# KiCad board MB1635_good_conversion.kicad_pcb (continued)
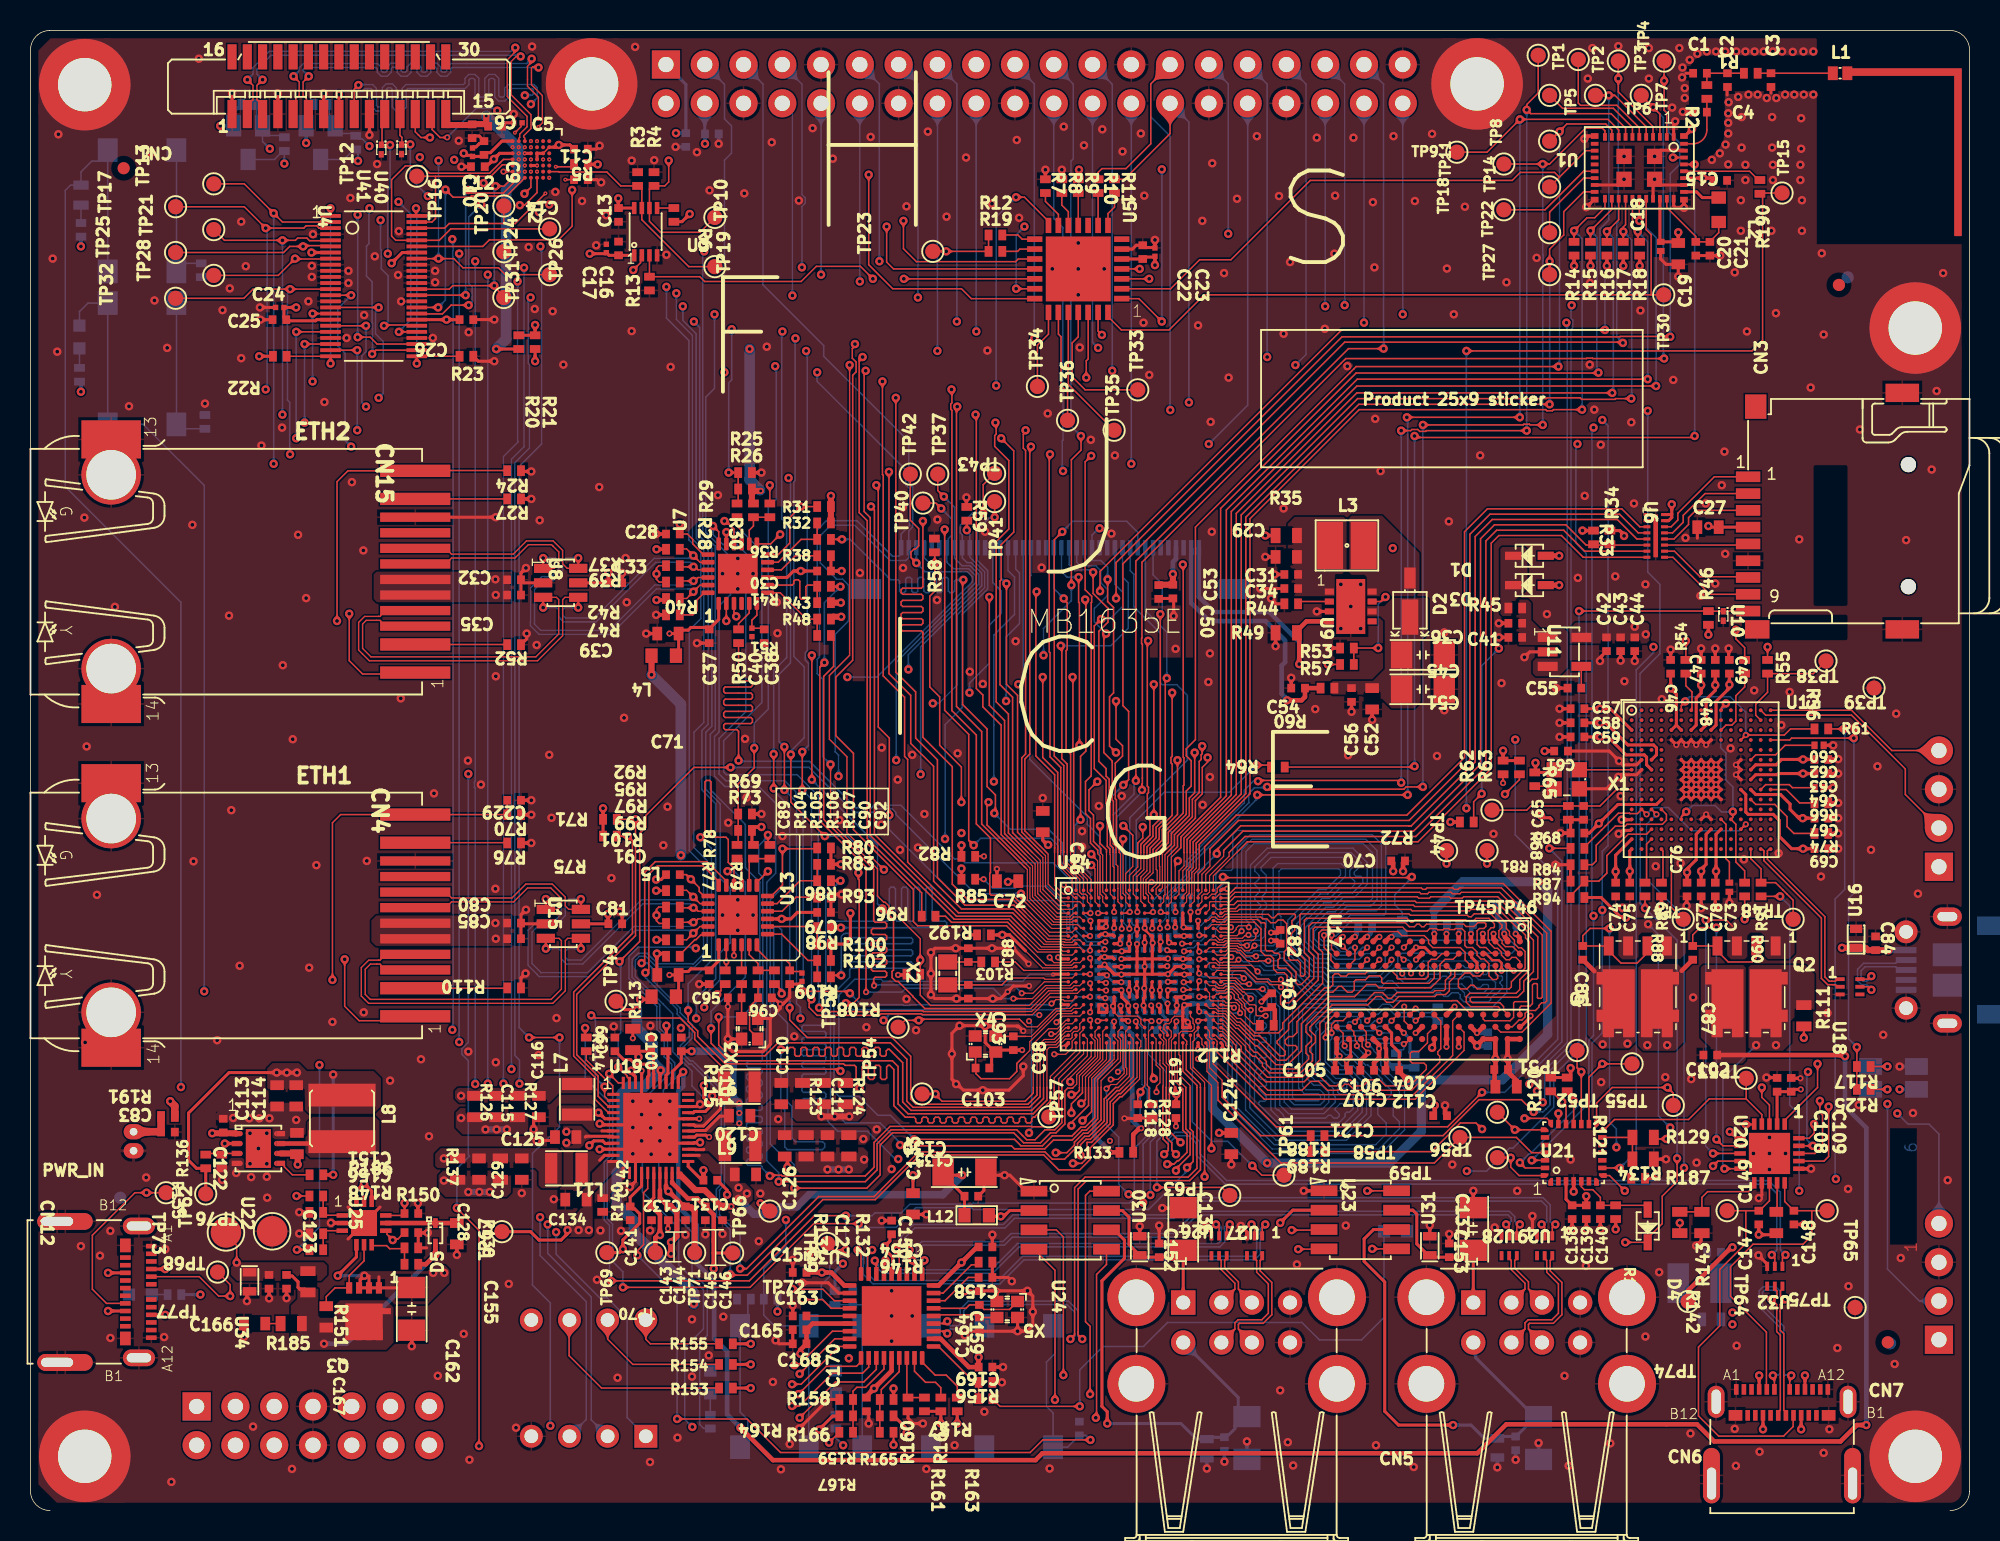
[diagram p0: board, top side]
## Routing (per net, layer and track width the routed paths; a pad name or vN(x,y) marks a point on that pad's centre or on a via; arc(x,y) is an arc through that point) (continued)
ETH1_MDC: length 49.4
  Top Layer w0.075: 66.58,27.73 66.58,30.2 66.72,30.35 67.23,30.35 67.78,30.9 68.13,30.9 68.23,31 68.23,31.28 68.35,31.4 68.57,31.4 68.72,31.55 68.72,31.9 U14.V3
  Top Layer w0.1: v1(44.58,31.6) 44.58,30.63 45.72,29.48 56.45,29.48 56.83,29.1 56.83,26.65 57.47,26 65.68,26 66.58,26.9 66.58,27.73 ; v1(48.3,41.9) 47.58,41.18 U13.13
  Signal Layer 2 w0.219: v1(45.65,41.9) v1(48.3,41.9)
  Bottom Layer w0.1: v1(44.58,31.6) 44.58,32.73 46.83,34.98 46.83,41.18 46.1,41.9 v1(45.65,41.9)
ETH1_MDINT: length 27.4
  Top Layer w0.09: U14.L4 69.48,36.08
  Top Layer w0.1: R104.1 45.23,34.5 45.23,34.08 v1(44.97,33.83)
  Signal Layer 2 w0.219: v1(44.97,33.83) 46.75,35.6 57.42,35.6 57.5,35.53 58.47,35.53 58.67,35.73 64.47,35.73 64.97,35.23 66.55,35.23 67.03,35.7 68.9,35.7 v2(69.4,36.2)
ETH1_MDIO: length 57.4
  Top Layer w0.075: 68.3,27.73 68.53,27.95 68.53,28.56 69.72,29.76 69.72,30.78 69.5,31 69.5,31.13 U14.Y4
  Top Layer w0.1: R80.1 51.48,43.38 v1(49.25,43.38) 49.25,41 48.52,40.28 U13.12 ; v1(50.02,21.13) 54.77,21.13 55.65,22 55.65,23.95 56.45,24.75 64.4,24.75 65.05,24.1 66.15,24.1 66.8,24.75 67.17,24.75 67.75,25.33 67.75,27.5 67.93,27.68 68.26,27.68 68.3,27.73
  Bottom Layer w0.1: v1(50.02,21.13) 50.02,22.65 49.75,22.93 49.55,22.93 48.45,24.03 48.45,40.03 49.25,40.83 v1(49.25,43.38)
ETH1_NRST: length 57.8
  Top Layer w0.1: v1(69.15,74.25) 69.15,75.35 69.28,75.48 U5.26 ; v1(47.4,49.98) 47.4,48.68 46.35,47.63 R69.1 R73.1 46.35,43.7 R77.1
  Signal Layer 2 w0.1: v1(69.15,74.25) 59.84,74.25 59.64,74.45 55.38,74.45 55.2,74.28 52.85,74.28 51.98,75.15 49.05,75.15 48.9,75 v1(48.77,75)
  Bottom Layer w0.1: v1(48.77,75) 48.85,74.93 48.85,66.28 48.33,65.75 48.33,52.53 47.4,51.6 v1(47.4,49.98)
ETH1_RX_CLK: length 67.2
  Top Layer w0.075: 67.35,27.73 67.35,28.3 68.97,29.93 U14.AA3
  Top Layer w0.1: 67.35,27.73 67.35,25.5 67,25.15 65.6,25.15 65.58,25.18 56.3,25.18 55.25,24.13 55.25,22.5 54.67,21.93 49.23,21.93 49.18,21.98 48.48,21.98 v1(48.42,21.93) ; R79.1 48.3,43.75 v1(48.3,44.28)
  Bottom Layer w0.1: v1(48.42,21.93) 47.93,22.43 47.93,22.53 47.83,22.63 47,22.63 46.9,22.73 46.9,22.93 47,23.03 47.83,23.03 47.93,23.13 47.93,23.33 47.83,23.43 47,23.43 46.9,23.53 46.9,23.72 47,23.82 47.83,23.82 47.93,23.92 47.93,24.12 47.83,24.22 47,24.22 46.9,24.32 46.9,24.53 47,24.62 47.83,24.62 47.93,24.72 47.93,24.92 47.83,25.03 47,25.03 46.9,25.12 46.9,25.32 47,25.42 47.83,25.42 47.93,25.52 47.93,25.72 47.83,25.82 47,25.82 46.9,25.92 46.9,26.12 47,26.22 47.83,26.22 47.93,26.32 47.93,26.52 47.83,26.62 47,26.62 46.9,26.72 46.9,26.92 47,27.02 47.83,27.02 47.93,27.12 47.93,27.32 47.83,27.42 47,27.42 46.9,27.52 46.9,27.72 47,27.82 47.83,27.82 47.93,27.92 47.93,28.12 47.83,28.22 47,28.22 46.9,28.32 46.9,28.52 47,28.62 47.83,28.62 47.93,28.72 47.93,28.92 47.83,29.02 47,29.02 46.9,29.12 46.9,29.32 47,29.42 47.83,29.42 47.93,29.52 47.93,30.1 47.98,30.15 47.98,41.5 47.7,41.78 47.7,43.58 48.3,44.18 v1(48.3,44.28)
ETH1_RXD0: length 70
  Top Layer w0.075: 69.9,27.73 69.9,28.26 71.22,29.58 71.22,30.78 71,31 71,31.13 U14.Y7
  Top Layer w0.1: R98.1 v1(53.08,38.2) ; v1(56.95,23.95) 57,23.9 64.25,23.9 64.45,23.7 66.42,23.7 67,24.28 68.23,24.28 68.88,24.93 69.16,24.93 69.9,25.66 69.9,27.73
  Bottom Layer w0.1: v1(53.08,38.2) 59.85,38.2 60,38.35 60,38.53 59.9,38.63 59.15,38.63 59.05,38.73 59.05,40.75 58.95,40.85 58.75,40.85 58.65,40.75 58.65,38.73 58.55,38.63 58.35,38.63 58.25,38.73 58.25,40.75 58.15,40.85 57.95,40.85 57.85,40.75 57.85,38.73 57.75,38.63 57.55,38.63 57.45,38.73 57.45,40.75 57.35,40.85 57.15,40.85 57.05,40.75 57.05,38.73 56.95,38.63 56.75,38.63 56.65,38.73 56.65,40.75 56.55,40.85 56.35,40.85 56.25,40.75 56.25,38.73 56.15,38.63 52.75,38.63 52.4,38.28 52.4,27.03 53.18,26.25 53.18,25.6 53.38,25.4 55.65,25.4 56.82,24.23 56.82,24.2 56.95,24.07 v1(56.95,23.95)
ETH1_RXD1: length 63.5
  Top Layer w0.075: U14.AA7 70.97,29.58 69.7,28.3 69.7,27.73
  Top Layer w0.1: R109.1 52.53,35.08 v1(53.1,35.08) ; 69.7,27.73 69.7,25.75 69.08,25.13 68.8,25.13 68.22,24.55 66.93,24.55 66.27,23.9 64.88,23.9 64.45,24.33 v1(57.87,24.33)
  Bottom Layer w0.1: v1(53.1,35.08) 53.1,37.63 53.28,37.81 53.36,37.81 53.37,37.83 53.59,37.83 53.65,37.77 53.65,37.63 53.73,37.55 57.67,37.55 57.77,37.45 57.77,37.25 57.67,37.15 53.75,37.15 53.65,37.05 53.65,36.85 53.75,36.75 57.67,36.75 57.77,36.65 57.77,36.45 57.67,36.35 53.75,36.35 53.65,36.25 53.65,36.05 53.75,35.95 57.67,35.95 57.77,35.85 57.77,35.65 57.67,35.55 53.75,35.55 53.65,35.45 53.65,34.95 52.62,33.93 52.62,27.48 52.96,27.14 54.26,27.14 55.5,25.9 56.33,25.9 57.87,24.35 v1(57.87,24.33)
ETH1_TX_EN: length 68.2
  Top Layer w0.075: U14.AA2 68.48,30.13 66.8,28.45 66.8,27.73
  Top Layer w0.1: 66.8,27.73 66.8,26.83 65.77,25.8 65.77,25.78 65.67,25.78 65.58,25.68 65.58,25.5 65.47,25.4 65.27,25.4 65.17,25.5 65.17,25.68 65.08,25.78 64.87,25.78 64.77,25.68 64.77,25.5 64.68,25.4 64.48,25.4 64.38,25.5 64.38,25.68 64.28,25.78 64.08,25.78 63.98,25.68 63.98,25.5 63.88,25.4 63.68,25.4 63.58,25.5 63.58,25.68 63.48,25.78 63.28,25.78 63.18,25.68 63.18,25.5 63.08,25.4 62.88,25.4 62.78,25.5 62.78,25.68 62.68,25.78 62.48,25.78 62.38,25.68 62.38,25.5 62.28,25.4 62.08,25.4 61.98,25.5 61.98,25.68 61.88,25.78 61.68,25.78 61.58,25.68 61.58,25.5 61.48,25.4 61.28,25.4 61.18,25.5 61.18,25.68 61.08,25.78 60.88,25.78 60.78,25.68 60.78,25.5 60.68,25.4 60.48,25.4 60.38,25.5 60.38,25.68 60.28,25.78 60.08,25.78 59.98,25.68 59.98,25.5 59.88,25.4 59.68,25.4 59.58,25.5 59.58,25.68 59.48,25.78 59.28,25.78 59.18,25.68 59.18,25.5 59.08,25.4 58.88,25.4 58.78,25.5 58.78,25.68 58.68,25.78 58.48,25.78 58.38,25.68 58.38,25.5 58.28,25.4 58.08,25.4 57.98,25.5 57.98,25.68 57.88,25.78 57.3,25.78 56.55,26.53 56.55,28.9 56.27,29.18 56.17,29.18 56.08,29.08 56.08,28.35 55.97,28.25 55.78,28.25 55.68,28.35 55.68,29.08 55.58,29.18 55.38,29.18 55.28,29.08 55.28,28.35 55.18,28.25 54.98,28.25 54.88,28.35 54.88,29.08 54.78,29.18 54.58,29.18 54.48,29.08 54.48,28.35 54.38,28.25 54.18,28.25 54.08,28.35 54.08,29.08 53.98,29.18 53.35,29.18 53.25,29.28 45.5,29.28 43.7,31.08 43.7,31.43 43.08,32.05 v1(43.08,32.78) ; U13.16 46.08,42.1 45.7,42.48 45.7,43.98 45.55,44.13 44.67,44.13 44.58,44.23 44.58,47.75 44.47,47.85 44.28,47.85 44.18,47.75 44.18,44.23 44.08,44.13 v1(43.87,44.13)
  Bottom Layer w0.1: v1(43.08,32.78) 43.08,34.53 44.6,36.05 44.6,43.4 v1(43.87,44.13)
ETH1_TXD0: length 70.5
  Top Layer w0.075: 71.25,27.73 71.98,28.45 U14.AA9
  Top Layer w0.087: 71.24,27.73 71.25,27.73
  Top Layer w0.1: v1(46.48,15.85) 46.9,15.85 51.62,20.58 55.25,20.58 58.18,23.5 66.45,23.5 66.92,23.03 67.72,23.03 67.95,23.25 67.96,23.25 68.58,23.87 68.58,24.06 69.04,24.53 69.33,24.53 70.32,25.52 70.32,26.97 71.08,27.73 71.24,27.73 ; U13.17 45.58,41.25 44.3,42.53 40.92,42.53 40.23,41.83 40.23,36.08 v1(40.03,35.88)
  Bottom Layer w0.1: v1(40.02,35.88) 40.4,35.88 40.71,35.56 40.71,34.77 42.55,32.93 42.55,32.63 43.35,31.83 43.35,30.97 42.75,30.37 42.75,29.93 43.22,29.46 43.37,29.46 45.45,27.39 45.45,21.32 45.12,20.99 45.12,19.38 46.48,18.03 v1(46.48,15.85)
ETH1_TXD1: length 72.2
  Top Layer w0.075: U14.Y10 72.5,31.13 72.5,31 72.72,30.78 72.72,30.41 72.64,30.34 72.64,28.28 72.09,27.73
  Top Layer w0.1: v1(45.83,15.48) 45.87,15.43 46.95,15.43 51.9,20.38 55.33,20.38 58.26,23.3 66.37,23.3 67.34,22.33 68.73,22.33 69.4,23 69.4,23.75 70.92,25.27 70.92,26.67 71.37,27.12 71.49,27.12 72.09,27.73 ; v1(40.28,35.25) 40.3,35.23 40.5,35.43 40.5,41.7 41.05,42.25 44.05,42.25 45.08,41.23 U13.18
  Bottom Layer w0.1: v1(45.83,15.48) 45.83,18.4 44.92,19.3 44.92,21.08 45.25,21.4 45.25,27.3 44.53,28.02 44.53,28.03 43.29,29.26 43.14,29.26 42.55,29.85 42.55,30.45 43.15,31.05 43.15,31.74 42.35,32.54 42.35,32.85 40.28,34.93 v1(40.28,35.25)
ETH2_CLK: length 53
  Top Layer w0.09: v2(70.4,37.28) 70.1,37.28 U14.H5
  Top Layer w0.1: R50.1 46.37,54.47 46.47,54.38 47.19,54.38 47.29,54.27 47.29,54.07 47.19,53.97 45.5,53.97 45.4,53.88 45.4,53.67 45.5,53.57 47.19,53.57 47.29,53.47 47.29,53.27 47.19,53.17 45.5,53.17 45.4,53.07 45.4,52.88 45.5,52.78 47.19,52.78 47.29,52.68 47.29,52.48 47.19,52.38 45.5,52.38 45.4,52.28 45.4,52.08 45.5,51.98 47.19,51.98 47.29,51.88 47.29,51.68 47.19,51.58 45.5,51.58 45.4,51.48 45.4,51.28 45.5,51.18 46.27,51.18 46.37,51.08 v1(46.37,49.15)
  Bottom Layer w0.1: v1(46.37,49.15) 46.42,49.1 51.02,49.1 54.08,46.05 55.08,46.05 55.25,46.23 57,46.23 60.53,42.7 60.95,42.7 61.2,42.45 66.97,42.45 68.28,41.15 68.28,38.2 69.2,37.28 v2(70.4,37.28)
ETH2_CRS_DV: length 46.1
  Top Layer w0.09: U14.F4 69.46,38.16 69.46,38.61 v2(69.43,38.65)
  Top Layer w0.1: v1(61.1,61) 61.05,60.95 61.05,52.83 62.65,51.23 62.65,47.45 63.2,46.9 63.2,45.78 v1(63.13,45.7) ; R36.1 v1(53.15,63.65)
  Bottom Layer w0.1: v1(53.15,63.65) 53.68,63.65 56.23,61.1 56.33,61 56.82,61 56.92,60.9 56.92,60.26 57.02,60.16 57.22,60.16 57.32,60.26 57.32,61.05 57.42,61.15 57.62,61.15 57.72,61.05 57.72,60.26 57.82,60.16 58.02,60.16 58.12,60.26 58.12,61.05 58.22,61.15 58.42,61.15 58.52,61.05 58.52,60.26 58.62,60.16 58.82,60.16 58.92,60.26 58.92,61.05 59.02,61.15 59.22,61.15 59.32,61.05 59.32,60.26 59.42,60.16 59.62,60.16 59.72,60.26 59.72,61.05 59.82,61.15 60.02,61.15 60.12,61.05 60.12,60.26 60.22,60.16 60.42,60.16 60.52,60.26 60.52,60.9 60.62,61 v1(61.1,61) ; v1(63.13,45.7) 64.17,44.65 66.67,44.65 67.6,43.73 67.6,43 68.95,41.65 68.95,39.13 v2(69.43,38.65)
ETH2_MDC: length 47.4
  Top Layer w0.09: U14.G3 v2(69.4,37.65)
  Top Layer w0.1: U7.13 48.48,63.35 v1(49.1,63.98) ; v1(61.78,43.6) 61.45,43.93 61.45,50.87 59.87,52.44 59.87,64.43
  Signal Layer 2 w0.219: v1(59.87,64.3) 49.43,64.3 v1(49.1,63.98)
  Bottom Layer w0.09: 67.3,43.13 67.3,42.73 68.58,41.45 68.58,38.48 v2(69.4,37.65)
  Bottom Layer w0.1: v1(61.78,43.6) 62.23,44.05 66.83,44.05 67.3,43.58 67.3,43.13
ETH2_MDINT: length 48.8
  Top Layer w0.09: U14.H4 69.4,37.08 v2(69.4,36.7)
  Top Layer w0.1: R30.1 v1(48.42,67.2) ; v1(56.25,45.58) 56.25,50.63 55.53,51.35 55.53,67.08 v1(55.4,67.2)
  Signal Layer 2 w0.219: v1(55.4,67.2) 55.38,67.18 48.45,67.18 v1(48.42,67.2)
  Bottom Layer w0.09: v2(69.4,36.7) 69,36.7 67.87,37.83 67.87,39.08 66.98,39.98 65.17,39.98
  Bottom Layer w0.1: 65.17,39.98 60.9,39.98 56.25,44.63 v1(56.25,45.58)
ETH2_MDIO: length 48.6
  Top Layer w0.075: 65.17,37.98 66.21,36.94 67.56,36.94 67.6,36.9 68.73,36.9 U14.J3
  Top Layer w0.1: 65.17,37.98 64.2,38.95 60.65,38.95 55.27,44.33 55.27,65.58 v1(55.05,65.8) ; R31.1 v1(50.45,65.8) 49.72,65.08 49.72,63.4 48.98,62.65 U7.12
  Signal Layer 2 w0.219: v1(50.45,65.8) v1(55.05,65.8)
ETH2_NRST: length 38.7
  Top Layer w0.1: U5.27 69.92,77.3 v1(70.17,77.05) ; v1(45.72,68.03) R25.1 R26.1 46.35,66.08 R28.1
  Signal Layer 2 w0.1: v1(45.92,77.43) 46.22,77.73 49.5,77.73 49.73,77.5 61.1,77.5 61.42,77.83 65.5,77.83 66.27,77.05 v1(70.17,77.05)
  Bottom Layer w0.1: v1(45.92,77.43) 45.92,74.1 45.72,73.9 v1(45.72,68.03)
ETH2_RXD0: length 43.6
  Top Layer w0.075: 65.17,33.55 65.63,33.55 66.48,34.4 68.08,34.4 68.32,34.65 U14.N2
  Top Layer w0.1: R41.1 52.45,60.55 v1(53.05,60.55) ; v1(52,55.58) 51.7,55.28 51.7,45.2 54.72,42.18 v2(54.72,33.98) ; v2(64.38,33.55) 65.17,33.55
  Bottom Layer w0.1: v1(52,55.58) 52,59.5 v1(53.05,60.55) ; v2(64.38,33.55) 63.72,33.55 63.05,34.23 57.33,34.23 57.08,33.98 v2(54.72,33.98)
ETH2_RXD1: length 46.5
  Top Layer w0.075: v2(64.92,33.9) 65.65,33.9 66.4,34.65 U14.N1
  Top Layer w0.1: R51.1 52.6,57.18 52.6,55.33 51.95,54.68 51.95,45.3 52.2,45.05 52.2,45.04 55.22,42.02 55.22,38.65 55.33,38.55 55.98,38.55 56.08,38.45 56.08,38.25 55.98,38.15 55.17,38.15 55.07,38.05 55.07,37.85 55.17,37.75 55.98,37.75 56.08,37.65 56.08,37.45 55.98,37.35 55.17,37.35 55.07,37.25 55.07,37.05 55.17,36.95 55.98,36.95 56.08,36.85 56.08,36.65 55.98,36.55 55.17,36.55 55.07,36.45 55.07,36.25 55.17,36.15 55.98,36.15 56.08,36.05 56.08,35.85 55.98,35.75 55.17,35.75 55.07,35.65 55.07,35.45 55.17,35.35 55.98,35.35 56.08,35.25 56.08,35.05 55.98,34.95 55.33,34.95 55.22,34.85 55.22,34.55 55.25,34.52 v2(55.25,34.4)
  Bottom Layer w0.1: v2(55.25,34.4) 55.3,34.45 64.37,34.45 v2(64.92,33.9)
ETH2_TX_EN: length 58.9
  Top Layer w0.075: U14.G1 66.72,37.65 65.17,39.2
  Top Layer w0.1: v1(45.45,64.85) 45.55,64.85 46.08,64.33 U7.16 ; 65.17,39.2 64.33,40.05 61.37,40.05 60.37,41.05 60.37,48.75 58.45,50.68 58.45,57.55 58.35,57.65 57.12,57.65 57.02,57.75 57.02,57.95 57.12,58.05 58.35,58.05 58.45,58.15 58.45,58.35 58.35,58.45 57.12,58.45 57.02,58.55 57.02,58.75 57.12,58.85 58.35,58.85 58.45,58.95 58.45,59.15 58.35,59.25 57.12,59.25 57.02,59.35 57.02,59.55 57.12,59.65 58.35,59.65 58.45,59.75 58.45,59.95 58.35,60.05 57.12,60.05 57.02,60.15 57.02,60.35 57.12,60.45 58.35,60.45 58.45,60.55 v1(58.45,64.85)
  Signal Layer 2 w0.219: v1(45.45,64.85) v1(58.45,64.85)
ETH2_TXD0: length 58
  Top Layer w0.075: 65.17,32.7 65.58,32.7 66.77,33.9 68.57,33.9 68.83,34.15 U14.P3
  Top Layer w0.1: v1(51.65,32.95) 51.63,32.95 51.62,32.95 51.88,32.7 55.57,32.7 55.62,32.75 58.43,32.75 58.48,32.7 65.17,32.7 ; U7.17 v1(45.58,64.13)
  Bottom Layer w0.1: v1(45.58,64.13) 46.65,64.13 47.9,62.88 47.9,52.95 45.4,50.45 45.4,48.4 45.58,48.23 50.2,48.23 51.62,46.8 51.62,44.4 51.6,44.38 51.6,34 51.65,33.95 v1(51.65,32.95)
ETH2_TXD1: length 57.2
  Top Layer w0.075: 66.9,33.23 66.9,33.23 67.16,33.48 67.64,33.48 67.72,33.4 68.22,33.4 U14.R2
  Top Layer w0.09: v2(66.88,33.23) 66.9,33.23
  Top Layer w0.1: v1(53.67,33.9) 53.67,34.01 53.65,34.03 v1(50.6,34.03) ; v1(44.7,64.53) 45.08,64.15 U7.18
  Bottom Layer w0.1: v1(50.6,34.03) 50.6,46.48 50.12,46.95 50.12,47.1 49.4,47.83 45.55,47.83 45.1,48.28 45.1,50.6 46.85,52.35 46.85,62.73 46.27,63.31 45.37,63.31 44.7,63.97 44.7,64.52 v1(44.7,64.53) ; v2(66.88,33.23) 66.8,33.15 63.23,33.15 63.2,33.13 62.85,33.13 62.82,33.15 60.85,33.15 60.83,33.13 60.47,33.13 60.45,33.15 57.6,33.15 57.55,33.1 57.2,33.1 57.15,33.15 54.42,33.15 v1(53.67,33.9)
EXP_GPIO2: length 199.3
  Top Layer w0.075: U14.N3 68.72,34.4 68.36,34.4 68.2,34.23 66.56,34.23 65.42,33.1 65.17,33.1
  Top Layer w0.09: v1(52.4,48.9) 52.4,45.13 55.48,42.05 55.48,40.28 55.88,39.87 55.97,39.87 56.22,39.62 56.22,39.53 58.27,37.48 R108.1 58.28,33.78 58.95,33.1 65.17,33.1
  Top Layer w0.1: CN1.14 26.3,91.42 26.3,90.51 26.82,89.99 27.29,89.99 v2(27.29,89.99) ; v1(52.3,4.45) R166.1
  Signal Layer 2 w0.1: 39.73,90.2 38.47,88.94 31.63,88.94 30.57,90 v1(30.57,91.75) ; 39.73,90.2 41.47,90.2 42.9,91.63 42.9,93.51 CN8.3 ; 39.73,90.2 39.95,90.2 ; v1(58.28,36.08) 58.28,36.9 57.42,37.75 48.97,37.75 48.2,38.53 45.25,38.53 v1(43.58,36.85) ; v1(43.35,5.48) 43.93,4.9 49.78,4.9 49.9,4.78 50.23,4.45 v1(52.3,4.45) ; v1(45.45,74.6) 45.52,74.53 51.45,74.53 v1(51.52,74.6) ; v1(21.45,88.45) 21.45,90.48 21.67,90.7 24.63,90.7 25.88,89.45 26.75,89.45 v2(27.29,89.99)
  Bottom Layer w0.09: 51.9,51.5 51.9,49.4 v1(52.4,48.9)
  Bottom Layer w0.1: v1(51.52,74.6) 51.52,74 57.33,68.2 57.33,67.23 57.58,66.98 57.58,64.56 57.03,64.01 CN16.40 56.93,63 56.93,62.61 56.87,62.55 56.45,62.55 54.13,64.88 52.14,64.88 51.53,64.26 51.53,60.65 51.68,60.5 51.68,55.94 51.53,55.79 51.53,54.85 51.9,54.47 51.9,51.5 ; v1(30.57,91.75) 30.45,91.75 30.3,91.9 29.2,91.9 v2(27.29,89.99) ; TR1.3 20.53,88.55 21.18,89.2 R170.2 21.45,89.05 v1(21.45,88.45) ; CN8.3 45.45,93.48 45.45,91.21 45.91,90.75 45.91,88.96 45.45,88.49 v1(45.45,74.6) ; v1(43.35,5.48) 42.85,5.98 42.85,10.68 44.08,11.9 44.08,14.48 42.45,16.1 42.45,18.5 40.07,20.88 40.07,23.6 40.6,24.13 40.6,24.43 40.15,24.88 40.15,25.43 40.45,25.73 40.45,26.2 40.18,26.48 40.18,26.98 42,28.8 42,29.24 41.5,29.74 41.5,31.04 41.03,31.52 41.03,33.04 39.2,34.87 39.2,36.33 39.8,36.93 43.45,36.93 43.47,36.95
EXP_GPIO3: length 224.9
  Top Layer w0.075: v1(69.47,42.3) 69.72,42.05 69.72,39.9 U14.C5
  Top Layer w0.1: CN1.13 25.2,90.36 25.58,89.99 v1(26.16,89.99) ; v1(56.52,4.3) R167.1 ; v1(27.92,19.83) 27.92,19.81 29.38,18.36 v1(29.38,4.23) ; R82.1 v2(62.45,42.88)
  Signal Layer 2 w0.09: v1(69.48,42.3) 68.9,42.88 65.17,42.88
  Signal Layer 2 w0.1: CN8.5 45.4,93.47 45.4,91.85 43.4,89.85 39.83,89.85 38.63,88.65 31.36,88.65 30.08,89.93 29.48,89.93 28.91,90.5 26.67,90.5 v1(26.16,89.99) 25.14,91.01 21.48,91.01 18.75,88.27 v1(16.63,88.27) ; v1(29.38,4.23) 29.95,3.65 55.87,3.65 v1(56.52,4.3) ; 65.17,42.88 v2(62.45,42.88) 56.4,42.88 52.93,46.35 v1(52.93,48.13) 52.58,48.48 46.78,48.48 46.58,48.28 46.57,48.28 v1(28.68,48.28)
  Bottom Layer w0.1: TR2.3 15.98,88.55 16.53,89.1 R171.2 v1(16.63,88.28) ; v1(27.92,19.83) 27.92,22.35 27.9,22.38 28.75,23.23 28.68,23.3 28.68,29.48 28.25,29.9 28.25,30.25 28.68,30.68 v1(28.68,48.28) ; CN8.5 47.98,93.5 47.98,80.33 51.95,76.35 51.95,75.65 57.53,70.08 57.53,67.31 57.77,67.06 57.77,64.46 57.52,64.21 CN16.39 57.52,62.45 57.34,62.26 56.29,62.26 53.98,64.58 52.42,64.58 51.73,63.88 51.73,62.11 52.79,61.04 53.18,61.04 53.58,60.65 53.58,58.3 52.7,57.43 52.7,49.72 52.93,49.5 v1(52.93,48.13)
EXP_GPIO4: length 131.5
  Top Layer w0.075: v2(70.75,28.25) 71.23,28.25 71.63,28.66 71.63,28.92 71.56,28.99 71.56,31.03 71.47,31.11 U14.Y8
  Signal Layer 2 w0.09: 41.02,81.48 v1(50.53,81.48) ; 46.13,28.25 46.1,28.27 44.08,28.27 42.13,30.23 38.2,30.23 36.9,28.93 v1(31.5,28.93) ; 70.77,28.25 70.77,28.28 70.54,28.51 67.93,28.51 67.71,28.3 62.37,28.3
  Signal Layer 2 w0.1: v1(32.33,81.45) 32.35,81.45 33.28,80.53 40.07,80.53 41.02,81.48 ; 46.13,28.25 47.43,26.95 58.97,26.95 59.05,26.88 60.6,26.88 62.03,28.3 62.37,28.3
  Bottom Layer w0.09: v1(50.53,81.48) 50.53,85.46 50.75,85.68 50.75,86.03 50.53,86.25 50.53,93.49 CN8.7 ; v1(32.33,81.45) 32.33,69.73 32.33,69.73 31.5,68.9 v1(31.5,28.93)
EXP_GPIO5: length 162.3
  Top Layer w0.075: U14.T2 68.45,33.13 68.3,33.13 68.08,32.9 67.15,32.9 65.95,31.7 65.28,31.7 65.17,31.8
  Top Layer w0.1: TP50.1 57.27,32.13 v1(58.18,32.13) 58.25,32.2 64.77,32.2 65.17,31.8
  Signal Layer 2 w0.1: v1(58.17,32.13) 56.95,33.35 56.88,33.43 54.67,33.43 54.3,33.8 54.3,33.87 53.72,34.45 47.7,34.45 45.85,32.6 45.43,32.6 45.25,32.78 45.05,32.98 44.73,32.98 43.85,33.85 42,33.85 40.4,32.25 39.08,32.25 37.48,33.85 29.98,33.85 v1(27.63,31.5) ; v1(78.45,83.68) 78.43,83.7 66.42,83.7 66.15,83.43 27.91,83.43 27.89,83.41 27.71,83.41 v1(27.63,83.33)
  Bottom Layer w0.1: v1(27.63,31.5) 27.68,31.55 27.68,82.18 27.65,82.2 27.65,82.55 27.68,82.58 27.68,83.28 v1(27.63,83.33) ; v1(78.45,83.68) 78.45,93.5 CN8.29
EXP_GPIO6: length 85
  Top Layer w0.1: v1(54.5,75.6) 54.35,75.6 54.28,75.53 54.28,65.4 54.8,64.88 54.8,44.05 58.38,40.48 R96.2
  Signal Layer 2 w0.1: v1(54.5,75.6) 54.45,75.6 54.4,75.55 80.95,75.55 v1(81,75.6)
  Bottom Layer w0.1: CN8.31 81,93.49 v1(81,75.6)
EXP_GPIO7: length 79.4
  Top Layer w0.075: 65.17,38.63 66.52,37.28 67.7,37.28 67.74,37.23 68.21,37.23 68.37,37.4 68.73,37.4 U14.H3
  Top Layer w0.1: 65.17,38.63 64.38,39.43 60.97,39.43 59.15,41.25 59.15,48.78 57.65,50.28 57.65,53.43 56.22,54.85 v1(56.22,68.08)
  Signal Layer 2 w0.1: v1(56.23,68.08) 66.88,68.08 67.4,68.6 v1(72.1,68.6)
  Bottom Layer w0.1: v1(72.1,68.6) CN8.26
EXP_GPIO8: length 85.7
  Top Layer w0.075: 65.17,37.08 66.52,35.73 68.18,35.73 68.35,35.9 68.73,35.9 U14.K3
  Top Layer w0.1: 65.17,37.08 63.92,38.33 58.1,38.33 57.83,38.6 57.83,40.7 53.9,44.63 53.9,49.63 52.75,50.78 52.75,54.63 53.85,55.73 53.85,74.4 54.08,74.63 54.08,75.27 53.83,75.52 53.83,76.15 54,76.33 v1(54,76.45)
  Signal Layer 2 w0.1: v1(69.92,76.2) 69.42,76.7 68.28,76.7 67.91,76.33 65.65,76.33 65.52,76.45 v1(54,76.45)
  Bottom Layer w0.1: v1(69.92,76.2) 69.56,76.56 CN8.24
EXP_GPIO9: length 92.6
  Top Layer w0.075: 65.17,32.9 65.52,32.9 66.68,34.07 68.27,34.07 68.33,34.13 68.45,34.13 U14.P2
  Top Layer w0.1: v1(55.8,39.45) 56.53,38.73 56.53,35.43 56.43,35.33 56.43,34.93 56.68,34.68 56.82,34.68 57.8,33.7 57.8,33.68 58.58,32.9 65.17,32.9 ; v1(68.17,60.65) 68.17,68.87 68.81,69.5 68.81,70.42 v1(68.8,70.43) ; v1(51.17,47.9) v1(51.17,56.05)
  Signal Layer 2 w0.1: v1(51.17,56.05) v1(66.35,56.05)
  Bottom Layer w0.1: v1(66.35,56.05) 66.35,57.81 68.18,59.63 v1(68.17,60.65) ; CN8.21 68.3,93.49 68.3,88.59 68.15,88.44 68.15,71.08 v1(68.8,70.43) ; v1(51.17,47.9) 55.48,43.6 55.48,39.78 v1(55.8,39.45)
EXP_GPIO10: length 98.9
  Top Layer w0.09: v2(69.4,33.68) 69.39,33.66 68.99,33.66 U14.R3
  Top Layer w0.1: v1(49.8,49.55) 49.8,46.43 v1(52.03,44.2) ; v1(54.23,41.8) 54.23,41.38 54.28,41.33 54.28,33.63 53.9,33.25 v1(53.4,33.25)
  Signal Layer 2 w0.1: v1(50.1,76.83) 52.9,76.83 53.13,77.05 54.69,77.05 54.91,76.83 v1(65.75,76.83)
  Bottom Layer w0.09: 65.17,32.83 67.73,32.83 68.58,33.68 v2(69.4,33.68)
  Bottom Layer w0.1: v1(65.75,76.83) 65.75,93.5 CN8.19 ; v1(49.8,49.55) 49.8,49.78 50.68,50.65 50.68,55.3 50,55.98 50,67.42 50.08,67.5 50.08,76.8 v1(50.1,76.83) ; v1(53.4,33.25) 53.83,32.83 65.17,32.83 ; v1(54.23,41.8) 54.23,43.5 53.52,44.2 v1(52.03,44.2)
EXP_GPIO11: length 83.5
  Top Layer w0.075: 65.17,37.68 66.08,36.77 67.49,36.77 67.61,36.65 U14.J1
  Top Layer w0.1: v1(54.7,74.7) 54.61,74.61 54.61,74.43 54.6,74.42 54.6,65.48 55,65.08 55,44.25 60.5,38.75 64.1,38.75 65.17,37.68
  Signal Layer 2 w0.1: v1(54.7,74.7) v1(70.85,74.7)
  Bottom Layer w0.1: CN8.23 70.85,93.48 v1(70.85,74.7)
EXP_GPIO12: length 134.9
  Top Layer w0.1: 72.4,32.05 72.44,32.05 72.46,32.08 72.46,31.66 U14.W10
  Signal Layer 2 w0.1: v1(72.87,20.18) 73.87,20.18 73.95,20.25 79.35,20.25 81.35,22.25 v1(94.08,22.25) ; v1(77.17,69.9) v1(101.33,69.9)
  Bottom Layer w0.09: 72.4,32.05 72.8,31.65 72.8,27.94 73.01,27.73
  Bottom Layer w0.1: v1(94.08,22.25) 95.38,22.25 96.88,23.75 97.1,23.75 99.77,26.43 99.77,28.53 101.87,30.63 101.87,30.91 101.9,30.93 101.9,62.73 101.23,63.4 101.23,69.62 101.24,69.63 101.24,69.81 v1(101.33,69.9) ; 73.01,27.73 73.13,27.6 73.13,26.77 73.67,26.23 73.67,24.83 72.87,24.03 v1(72.87,20.18) ; v1(77.17,69.9) 79.72,72.45 CN8.32
  vias: v2(72.39,32.05)
EXP_GPIO13: length 90.7
  Top Layer w0.09: v1(55.9,42) 53.47,44.43 53.47,49.4 52.33,50.55 52.33,54.73 53.65,56.05 v1(53.65,75.08) ; R85.1 v1(60.97,42.08)
  Signal Layer 2 w0.09: v1(82.85,75.08) 82.77,75.15 53.73,75.15 v1(53.65,75.08) ; v1(55.9,42) 55.97,42.08 v1(60.97,42.08)
  Bottom Layer w0.09: v1(82.85,75.08) 83.55,75.78 83.55,93.48 CN8.33
EXP_GPIO14: length 113.4
  Top Layer w0.075: 68.7,27.73 68.7,28.5 69.89,29.69 69.89,30.86 69.73,31.03 69.73,31.4 U14.W5
  Top Layer w0.1: v1(68.18,27.25) 68.27,27.25 68.35,27.18 68.7,27.53 68.7,27.73
  Signal Layer 2 w0.09: v1(49.9,79.63) 49.78,79.63 49.63,79.78 v1(42.3,79.78)
  Signal Layer 2 w0.1: v1(44.65,27.17) 44.65,26.39 46.09,24.95 53.53,24.95 54.88,26.3 63.08,26.3 63.77,27 66.56,27 66.81,27.25 v1(68.18,27.25)
  Bottom Layer w0.09: v1(44.65,27.17) 43.98,27.17 43.33,27.83 43.33,28.8 42.07,30.05 42.07,31.6 42.07,32.55 41.42,33.2 39.6,35.02 39.6,36.05 39.88,36.33 40.3,36.33 41,35.63 43.5,35.63 44.33,36.45 44.33,42.58 43.45,43.45 43.45,51.01 44.1,51.66 44.1,62.93 43.35,63.68 43.35,77.03 42.3,78.07 v1(42.3,79.78) ; CN8.8 49.9,91.57 v1(49.9,79.63)
EXP_GPIO15: length 137.9
  Top Layer w0.075: U14.W8 71.22,31.4 71.22,31.05 71.39,30.88 71.39,29.44 70.12,28.17 70.12,27.73
  Top Layer w0.1: v1(67.15,23.45) 67.87,23.45 68.38,23.95 68.38,24.14 68.96,24.73 69.24,24.73 70.12,25.6 70.12,27.73
  Signal Layer 2 w0.1: v1(29.95,27.98) 30.82,27.1 38,27.1 38.6,27.7 42.32,27.7 42.98,27.04 42.98,25.54 43.48,25.04 44.68,25.04 46.22,23.5 67.1,23.5 v1(67.15,23.45) ; v1(29.95,81) 32.33,81 33.11,80.23 40.34,80.23 41.12,81 v1(51.78,81)
  Bottom Layer w0.1: v1(51.78,81) CN8.10 ; v1(29.95,27.98) v1(29.95,81)
EXP_GPIO16: length 133.4
  Top Layer w0.09: U14.V6 70.45,32.12 69.95,32.12 v2(69.9,32.08)
  Signal Layer 2 w0.09: v2(69.9,32.08) 68.63,30.8 65.17,30.8
  Signal Layer 2 w0.1: v1(43.6,32.25) 43.6,31.55 45.7,29.45 57.2,29.45 58.55,30.8 65.17,30.8 ; v1(42.73,78.93) v1(84.8,78.93)
  Bottom Layer w0.1: v1(42.73,78.93) 42.73,78 43.6,77.13 43.6,63.73 44.38,62.95 44.38,51.53 43.98,51.13 43.98,47.23 44.88,46.33 44.88,34.85 43.6,33.58 v1(43.6,32.25) ; v1(84.8,78.93) CN8.36
EXP_GPIO17: length 149.3
  Top Layer w0.075: 71.81,27.73 72.47,28.39 U14.AA10
  Top Layer w0.1: v1(68.28,22.75) 68.85,22.75 69.2,23.1 69.2,24.12 69.21,24.13 69.49,24.13 70.72,25.35 70.72,26.77 71.27,27.32 71.41,27.32 71.81,27.73
  Signal Layer 2 w0.1: v1(29.13,81.88) 32.78,81.88 33.79,80.88 39.9,80.88 40.9,81.88 47.88,81.88 48.18,82.18 55.3,82.18 v1(55.6,81.88) ; v1(29.13,27.95) 30.38,26.7 37.97,26.7 38.77,27.5 42.23,27.5 42.78,26.96 42.78,24.5 44.72,22.55 48.89,22.55 49.49,21.95 50.37,21.95 50.39,21.93 56.58,21.93 57.25,22.6 68.13,22.6 v1(68.28,22.75)
  Bottom Layer w0.1: v1(55.6,81.88) 55.6,93.49 CN8.11 ; v1(29.13,81.88) 29.13,47.8 29.08,47.75 29.08,47.4 29.13,47.35 v1(29.13,27.95)
EXP_GPIO18: length 134.5
  Top Layer w0.075: 69.3,27.73 69.3,28.38 70.47,29.55 U14.AA6
  Top Layer w0.1: v1(68.18,25.23) 68.26,25.31 68.26,25.51 69.3,26.55 69.3,27.73
  Signal Layer 2 w0.09: v1(31.9,80.55) 31.95,80.55 32.47,80.03 40.89,80.03 41.48,80.62 41.82,80.62 41.89,80.55 v1(54.32,80.55)
  Signal Layer 2 w0.1: v1(30.97,27.98) 31.6,27.35 37.85,27.35 38.4,27.9 42.4,27.9 43.17,27.13 43.17,25.63 43.56,25.24 44.76,25.24 45.48,24.53 53.9,24.53 54.97,25.6 67.8,25.6 v1(68.18,25.23)
  Bottom Layer w0.09: v1(30.97,27.98) 30.97,69.08 31.95,70.05 31.9,70.1 v1(31.9,80.55) ; v1(54.32,80.55) CN8.12